# Altium PCB BTF16.PcbDoc (part 2 of 4) (continued)
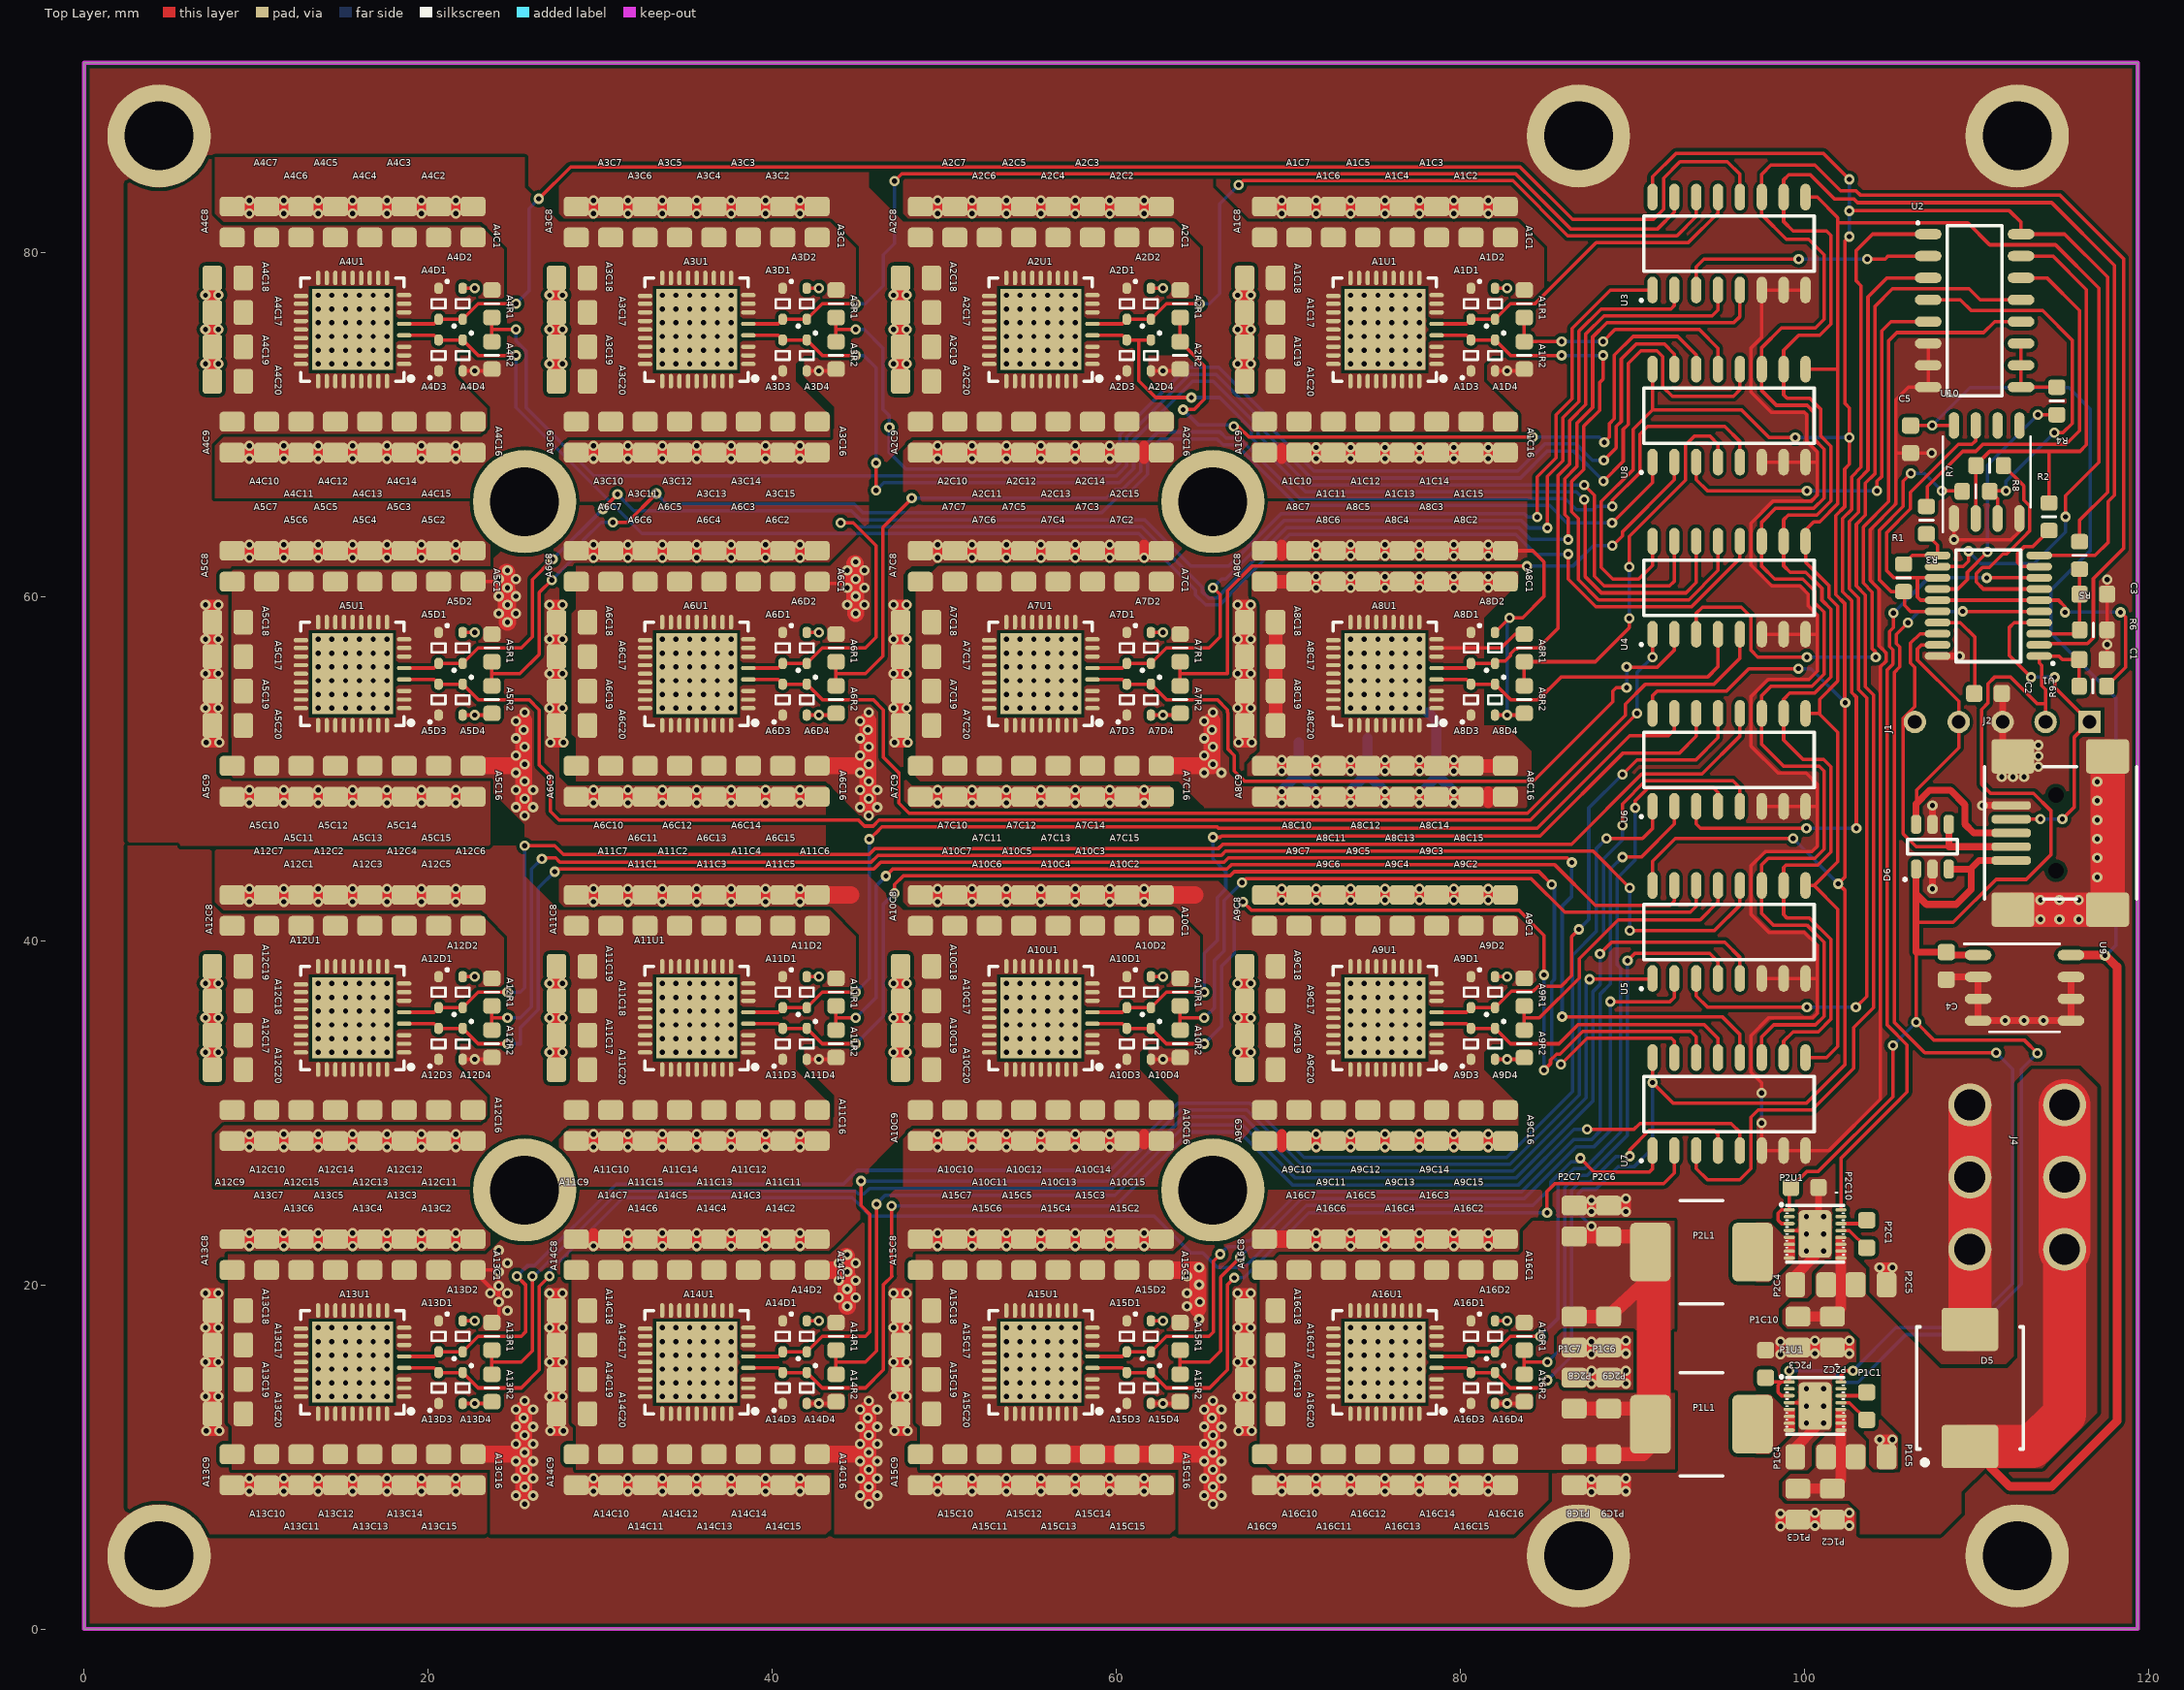
[diagram p0: Top Layer view]
## Nets (pads, with @x,y where several pads share a name; then routed paths per layer and width w, separated by ;. In a path a pad name is that pad's centre, name@x,y a point inside that pad or via, vN(x,y) a via of type N, cw(c..) or ccw(c..) an arc to the next point about the centre after c; other vN are vias at no path point) (continued)
  Top Layer w1: A5C16.1@22.6,50.15 v1@25.55,50.15 ; 24.25,60.6 24.6,60.25 v1(24.6,58.5) ; 24.55,59.2 v1@24.55,61.4 ; 25.55,47.95 v1@25.55,50.15 ; 25.55,52.775 v1@25.55,50.15
  other v1: 25.6,47.25 25.1,47.75 26.1,47.75 25.6,48.25 25.1,48.75 26.1,48.75 25.6,49.25 25.1,49.75 25.6,50.25 25.1,50.75 25.6,51.25 25.1,51.75 25.55,52.25 25.1,52.75 25.6,53.25 33.6,53.5 34.4,53.5 35.2,53.5 36,53.5 36.8,53.5 37.6,53.5 33.6,54.3 34.4,54.3 35.2,54.3 36,54.3 36.8,54.3 37.6,54.3 33.6,55.1 34.4,55.1 35.2,55.1 36,55.1 36.8,55.1 37.6,55.1 33.6,55.9 34.4,55.9 35.2,55.9 36,55.9 36.8,55.9 37.6,55.9 33.6,56.7 34.4,56.7 35.2,56.7 36,56.7 36.8,56.7 37.6,56.7 33.6,57.5 34.4,57.5 35.2,57.5 36,57.5 36.8,57.5 37.6,57.5 24.1,59 25.1,59 24.6,59.5 24.1,60 25.1,60 24.6,60.5 24.1,61 25.1,61 24.6,61.5
2.4V: A6C1.1 A6C2.1 A6C3.1 A6C4.1 A6C5.1 A6C6.1 A6C7.1 A6C8.1 A6C9.1 A6C10.1 A6C11.1 A6C12.1 A6C13.1 A6C14.1 A6C15.1 A6C16.1 A6C17.1 A6C18.1 A6C19.1 A6C20.1 A6D1.1 A6D3.1 A6R1.1 A6U1.1 A6U1.2 A6U1.3 A6U1.4 A6U1.5 A6U1.6 A6U1.7 A6U1.8 A6U1.9 A6U1.10 A6U1.11 A6U1.12 A6U1.13 A6U1.14 A6U1.15 A6U1.16 A6U1.17 A6U1.18 A6U1.19 A6U1.20 A6U1.21 A6U1.24 A6U1.25 A6U1.26 A6U1.27 A6U1.28 A6U1.29 A6U1.30 A6U1.31 A6U1.32 A6U1.33 A6U1.34 A6U1.35 A7C1.2 A7C2.2 A7C3.2 A7C4.2 A7C5.2 A7C6.2 A7C7.2 A7C8.2 A7C9.2 A7C10.2 A7C11.2 A7C12.2 A7C13.2 A7C14.2 A7C15.2 A7C16.2 A7C17.2 A7C18.2 A7C19.2 A7C20.2 A7D2.2 A7D4.2 A7R2.2 A7U1.36 | length 50.2
  Top Layer w0.2: A6C1.1@42.6,60.85 42.7,60.75 v1@44.85,60.75 ; A7D4.2@62,53.1 v1(62.7,53.1) 63.6,53.1 A7R2.2@63.7,53.2 ; A7D2.2@62,57.9 v1(62.7,57.9)
  Top Layer w0.6: v1(47.05,53.5) 47.45,53.5 ; v1(47.05,55.5) 47.45,55.5 ; v1(47.05,57.5) 47.45,57.5 ; v1(47.05,59.5) 47.45,59.5 ; v1(47.1,51.5) 47.45,51.5 ; A7C19.2@47.45,54.5 47.45,55.5 ; A7C17.2@47.45,56.5 47.45,57.5 ; A7C18.2@47.45,58.5 47.45,59.5 ; v1(47.8,53.5) 47.45,53.5 ; v1(47.8,55.5) 47.45,55.5 ; v1(47.8,57.5) 47.45,57.5 ; v1(47.8,59.5) 47.45,59.5 ; v1(47.85,51.5) 47.45,51.5 ; A7C9.2@48.6,48.35 49.6,48.35 ; v1(49.6,48) 49.6,48.35 ; v1(49.6,48.75) 49.6,48.35 ; v1(49.6,62.25) 49.6,62.65 ; v1(49.6,63) 49.6,62.65 ; A7C10.2@50.6,48.35 51.6,48.35 ; A7C7.2@50.6,62.65 49.6,62.65 ; v1(51.6,48) 51.6,48.35 ; v1(51.6,48.75) 51.6,48.35 ; v1(51.6,62.25) 51.6,62.65 ; v1(51.6,63) 51.6,62.65 ; A7C11.2@52.6,48.35 53.6,48.35 ; A7C6.2@52.6,62.65 51.6,62.65 ; v1(53.6,48) 53.6,48.35 ; v1(53.6,48.75) 53.6,48.35 ; v1(53.6,62.25) 53.6,62.65 ; v1(53.6,63) 53.6,62.65 ; A7C12.2@54.6,48.35 55.6,48.35 ; A7C5.2@54.6,62.65 53.6,62.65 ; v1(55.6,48) 55.6,48.35 ; v1(55.6,48.75) 55.6,48.35 ; v1(55.6,62.25) 55.6,62.65 ; v1(55.6,63) 55.6,62.65 ; A7C13.2@56.6,48.35 57.6,48.35 ; A7C4.2@56.6,62.65 55.6,62.65 ; v1(57.6,48) 57.6,48.35 ; v1(57.6,48.75) 57.6,48.35 ; v1(57.6,62.25) 57.6,62.65 ; v1(57.6,63) 57.6,62.65 ; A7C14.2@58.6,48.35 59.6,48.35 ; A7C3.2@58.6,62.65 57.6,62.65 ; v1(59.6,48) 59.6,48.35 ; v1(59.6,48.75) 59.6,48.35 ; v1(59.6,62.25) 59.6,62.65 ; v1(59.6,63) 59.6,62.65 ; A7C15.2@60.6,48.35 61.6,48.35 ; A7C2.2@60.6,62.65 59.6,62.65 ; v1(61.6,48) 61.6,48.35 ; v1(61.6,48.75) 61.6,48.35 ; v1(61.6,62.25) 61.6,62.65 ; 61.6,63 61.6,62.65 ; A7C1.2@62.6,62.65 61.6,62.65 ; 47.45,51.5 A7C20.2@47.45,52.5 47.45,53.5
  Top Layer w1: A6C16.1@42.6,50.15 v1@45.55,50.15 ; 44.5,61.1 44.85,60.75 v1(44.85,59) ; 44.8,59.7 v1@44.8,61.9 ; 45.55,47.95 v1@45.55,50.15 ; 45.55,52.775 v1@45.55,50.15
  other v1: 45.6,47.25 45.1,47.75 46.1,47.75 45.6,48.25 45.1,48.75 46.1,48.75 45.6,49.25 45.1,49.75 45.6,50.25 45.1,50.75 45.6,51.25 45.1,51.75 45.55,52.25 45.1,52.75 45.6,53.25 53.6,53.5 54.4,53.5 55.2,53.5 56,53.5 56.8,53.5 57.6,53.5 53.6,54.3 54.4,54.3 55.2,54.3 56,54.3 56.8,54.3 57.6,54.3 53.6,55.1 54.4,55.1 55.2,55.1 56,55.1 56.8,55.1 57.6,55.1 53.6,55.9 54.4,55.9 55.2,55.9 56,55.9 56.8,55.9 57.6,55.9 53.6,56.7 54.4,56.7 55.2,56.7 56,56.7 56.8,56.7 57.6,56.7 53.6,57.5 54.4,57.5 55.2,57.5 56,57.5 56.8,57.5 57.6,57.5 44.35,59.5 45.35,59.5 44.85,60 44.35,60.5 45.35,60.5 44.85,61 44.35,61.5 45.35,61.5 44.85,62
2.8V: A7C1.1 A7C2.1 A7C3.1 A7C4.1 A7C5.1 A7C6.1 A7C7.1 A7C8.1 A7C9.1 A7C10.1 A7C11.1 A7C12.1 A7C13.1 A7C14.1 A7C15.1 A7C16.1 A7C17.1 A7C18.1 A7C19.1 A7C20.1 A7D1.1 A7D3.1 A7R1.1 A7U1.1 A7U1.2 A7U1.3 A7U1.4 A7U1.5 A7U1.6 A7U1.7 A7U1.8 A7U1.9 A7U1.10 A7U1.11 A7U1.12 A7U1.13 A7U1.14 A7U1.15 A7U1.16 A7U1.17 A7U1.18 A7U1.19 A7U1.20 A7U1.21 A7U1.24 A7U1.25 A7U1.26 A7U1.27 A7U1.28 A7U1.29 A7U1.30 A7U1.31 A7U1.32 A7U1.33 A7U1.34 A7U1.35 A8C1.2 A8C2.2 A8C3.2 A8C4.2 A8C5.2 A8C6.2 A8C7.2 A8C8.2 A8C9.2 A8C10.2 A8C11.2 A8C12.2 A8C13.2 A8C14.2 A8C15.2 A8C16.2 A8C17.2 A8C18.2 A8C19.2 A8C20.2 A8D2.2 A8D4.2 A8R2.2 A8U1.36 | length 73.9
  Top Layer w0.2: A8D4.2@82,53.1 v1(82.7,53.1) 83.6,53.1 A8R2.2@83.7,53.2 ; A8D2.2@82,57.9 v1(82.85,58.75) 83.6,58.75 84.85,60 84.85,62 84.2,62.65 A8C1.2@82.6,62.65
  Top Layer w0.6: v1(67.05,53.5) 67.45,53.5 ; v1(67.05,55.5) 67.45,55.5 ; v1(67.05,57.5) 67.45,57.5 ; v1(67.05,59.5) 67.45,59.5 ; v1(67.1,51.5) 67.45,51.5 ; A8C19.2@67.45,54.5 67.45,55.5 ; A8C17.2@67.45,56.5 67.45,57.5 ; A8C18.2@67.45,58.5 67.45,59.5 ; v1(67.8,53.5) 67.45,53.5 ; v1(67.8,55.5) 67.45,55.5 ; v1(67.8,57.5) 67.45,57.5 ; v1(67.8,59.5) 67.45,59.5 ; v1(67.85,51.5) 67.45,51.5 ; A8C9.2@68.6,48.35 v1@69.6,48.35 ; v1(69.6,48) v1@69.6,48.35 ; v1(69.6,48.65) v1@69.6,48.35 ; 69.6,62.35 69.6,63 ; 69.6,62.65 A8C7.2@70.6,62.65 ; A8C10.2@70.6,48.35 v1@71.6,48.35 ; v1(71.6,48) v1@71.6,48.35 ; v1(71.6,48.65) v1@71.6,48.35 ; v1(71.6,62.35) v1(71.6,63) ; v1@71.6,62.65 A8C6.2@72.6,62.65 ; A8C11.2@72.6,48.35 v1@73.6,48.35 ; v1(73.6,48) v1@73.6,48.35 ; v1(73.6,48.65) v1@73.6,48.35 ; v1(73.6,62.35) v1(73.6,63) ; v1@73.6,62.65 A8C5.2@74.6,62.65 ; A8C12.2@74.6,48.35 v1@75.6,48.35 ; v1(75.6,48) v1@75.6,48.35 ; v1(75.6,48.65) v1@75.6,48.35 ; v1(75.6,62.35) v1(75.6,63) ; v1@75.6,62.65 A8C4.2@76.6,62.65 ; A8C13.2@76.6,48.35 v1@77.6,48.35 ; v1(77.6,48) v1@77.6,48.35 ; v1(77.6,48.65) v1@77.6,48.35 ; v1(77.6,62.35) v1(77.6,63) ; v1@77.6,62.65 A8C3.2@78.6,62.65 ; A8C14.2@78.6,48.35 v1@79.6,48.35 ; v1(79.6,48) v1@79.6,48.35 ; v1(79.6,48.65) v1@79.6,48.35 ; v1(79.6,62.35) v1(79.6,63) ; v1@79.6,62.65 A8C2.2@80.6,62.65 ; A8C15.2@80.6,48.35 81.6,48.35 ; 81.6,48 81.6,48.35 ; 81.6,48.65 81.6,48.35 ; v1(81.6,62.35) v1(81.6,63) ; v1@81.6,62.65 A8C1.2@82.6,62.65 ; 67.45,51.5 A8C20.2@67.45,52.5 67.45,53.5
  Top Layer w1: A7C16.1@62.6,50.15 65.55,50.15 65.55,52.775
  Bottom Layer w0.2: v1(82.7,53.1) 82.7,58.6 v1(82.85,58.75)
  Bottom Layer w0.6: v1(69.6,48) v1(69.6,48.65) 69.6,48.719 70.4,49.519 70.4,49.55 70.6,49.75 70.6,50.25 ; 70.6,51.5 70.6,50.25 ; v1(71.6,48) v1(71.6,48.65) 71.6,48.719 70.8,49.519 70.8,50.05 70.6,50.25 ; v1(73.6,48) v1(73.6,48.65) 73.6,48.719 74.4,49.519 74.4,49.55 74.6,49.75 ; 74.6,51.75 74.6,49.75 ; v1(75.6,48) v1(75.6,48.65) 74.6,49.65 74.6,49.75 ; v1(77.6,48) 77.6,48.5 78.6,49.5 ; 78.1,53.25 78.6,52.75 78.6,49.5 ; v1(79.6,48) v1(79.6,48.65) 78.75,49.5 78.6,49.5
  other v1: 65.1,49.75 66.1,49.75 65.6,50.25 65.1,50.75 65.6,51.25 65.1,51.75 65.55,52.25 65.1,52.75 65.6,53.25 73.6,53.5 74.4,53.5 75.2,53.5 76,53.5 76.8,53.5 77.6,53.5 73.6,54.3 74.4,54.3 75.2,54.3 76,54.3 76.8,54.3 77.6,54.3 73.6,55.1 74.4,55.1 75.2,55.1 76,55.1 76.8,55.1 77.6,55.1 73.6,55.9 74.4,55.9 75.2,55.9 76,55.9 76.8,55.9 77.6,55.9 73.6,56.7 74.4,56.7 75.2,56.7 76,56.7 76.8,56.7 77.6,56.7 73.6,57.5 74.4,57.5 75.2,57.5 76,57.5 76.8,57.5 77.6,57.5
3.2V: A8C1.1 A8C2.1 A8C3.1 A8C4.1 A8C5.1 A8C6.1 A8C7.1 A8C8.1 A8C9.1 A8C10.1 A8C11.1 A8C12.1 A8C13.1 A8C14.1 A8C15.1 A8C16.1 A8C17.1 A8C18.1 A8C19.1 A8C20.1 A8D1.1 A8D3.1 A8R1.1 A8U1.1 A8U1.2 A8U1.3 A8U1.4 A8U1.5 A8U1.6 A8U1.7 A8U1.8 A8U1.9 A8U1.10 A8U1.11 A8U1.12 A8U1.13 A8U1.14 A8U1.15 A8U1.16 A8U1.17 A8U1.18 A8U1.19 A8U1.20 A8U1.21 A8U1.24 A8U1.25 A8U1.26 A8U1.27 A8U1.28 A8U1.29 A8U1.30 A8U1.31 A8U1.32 A8U1.33 A8U1.34 A8U1.35 A9C1.2 A9C2.2 A9C3.2 A9C4.2 A9C5.2 A9C6.2 A9C7.2 A9C8.2 A9C9.2 A9C10.2 A9C11.2 A9C12.2 A9C13.2 A9C14.2 A9C15.2 A9C16.2 A9C17.2 A9C18.2 A9C19.2 A9C20.2 A9D2.2 A9D4.2 A9R2.2 A9U1.36 | length 71
  Top Layer w0.2: A8U1.25@78.6,57 82.35,57 83.15,57.8 A8R1.1@83.7,57.8 ; A9D4.2@82,33.1 v1(82.7,33.1) 83.6,33.1 A9R2.2@83.7,33.2 ; A9D2.2@82,37.9 v1(82.7,37.9)
  Top Layer w0.6: v1(67.05,33.5) 67.45,33.5 ; v1(67.05,35.5) 67.45,35.5 ; v1(67.05,37.5) 67.45,37.5 ; A9C20.2@67.45,32.5 67.45,33.5 ; A9C19.2@67.45,34.5 67.45,35.5 ; A9C17.2@67.45,36.5 67.45,37.5 ; v1(67.8,33.5) 67.45,33.5 ; v1(67.8,35.5) 67.45,35.5 ; v1(67.8,37.5) 67.45,37.5 ; A9C9.2@68.511,28.35 A9C9.2@68.6,28.35 69.6,28.35 ; 69.6,28 69.6,28.35 ; 69.6,28.75 69.6,28.35 ; v1(69.6,42.35) v1@69.6,42.65 ; v1(69.6,43) v1@69.6,42.65 ; A9C10.2@70.6,28.35 71.6,28.35 ; A9C7.2@70.6,42.65 v1@69.6,42.65 ; v1(71.6,28) 71.6,28.35 ; v1(71.6,28.75) 71.6,28.35 ; v1(71.6,42.35) v1@71.6,42.65 ; v1(71.6,43) v1@71.6,42.65 ; A9C11.2@72.6,28.35 73.6,28.35 ; A9C6.2@72.6,42.65 v1@71.6,42.65 ; v1(73.6,28) 73.6,28.35 ; v1(73.6,28.75) 73.6,28.35 ; v1(73.6,42.35) v1@73.6,42.65 ; v1(73.6,43) v1@73.6,42.65 ; A9C12.2@74.6,28.35 75.6,28.35 ; A9C5.2@74.6,42.65 v1@73.6,42.65 ; v1(75.6,28) 75.6,28.35 ; v1(75.6,28.75) 75.6,28.35 ; v1(75.6,42.35) v1@75.6,42.65 ; v1(75.6,43) v1@75.6,42.65 ; A9C13.2@76.6,28.35 77.6,28.35 ; A9C4.2@76.6,42.65 v1@75.6,42.65 ; v1(77.6,28) 77.6,28.35 ; v1(77.6,28.75) 77.6,28.35 ; v1(77.6,42.35) v1@77.6,42.65 ; v1(77.6,43) v1@77.6,42.65 ; A9C14.2@78.6,28.35 79.6,28.35 ; A9C3.2@78.6,42.65 v1@77.6,42.65 ; v1(79.6,28) 79.6,28.35 ; v1(79.6,28.75) 79.6,28.35 ; v1(79.6,42.35) v1@79.6,42.65 ; v1(79.6,43) v1@79.6,42.65 ; A9C15.2@80.6,28.35 81.6,28.35 ; A9C2.2@80.6,42.65 v1@79.6,42.65 ; v1(81.6,28) 81.6,28.35 ; v1(81.6,28.75) 81.6,28.35 ; v1(81.6,42.35) v1@81.6,42.65 ; v1(81.6,43) v1@81.6,42.65 ; A9C1.2@82.6,42.65 v1@81.6,42.65
  Top Layer w0.8: A8C9.1@68.6,50.15 A8C10.1@70.6,50.15 A8C11.1@72.6,50.15 A8C12.1@74.6,50.15 A8C13.1@76.6,50.15 A8C14.1@78.6,50.15 A8C15.1@80.6,50.15 A8C16.1@82.6,50.15 ; A8C8.1@68.6,60.85 A8C7.1@70.6,60.85 A8C6.1@72.6,60.85 A8C5.1@74.6,60.85 A8C4.1@76.6,60.85 A8C3.1@78.6,60.85 A8C2.1@80.6,60.85 A8C1.1@82.6,60.85 ; A8C20.1@69.25,52.5 A8C19.1@69.25,54.5 A8C17.1@69.25,56.5 A8C18.1@69.25,58.5
  other v1: 73.6,33.5 74.4,33.5 75.2,33.5 76,33.5 76.8,33.5 77.6,33.5 73.6,34.3 74.4,34.3 75.2,34.3 76,34.3 76.8,34.3 77.6,34.3 73.6,35.1 74.4,35.1 75.2,35.1 76,35.1 76.8,35.1 77.6,35.1 73.6,35.9 74.4,35.9 75.2,35.9 76,35.9 76.8,35.9 77.6,35.9 73.6,36.7 74.4,36.7 75.2,36.7 76,36.7 76.8,36.7 77.6,36.7 73.6,37.5 74.4,37.5 75.2,37.5 76,37.5 76.8,37.5 77.6,37.5 69.6,49.85 71.6,49.85 73.6,49.85 75.6,49.85 77.6,49.85 79.6,49.85 69.6,50.5 71.6,50.5 73.6,50.5 75.6,50.5 77.6,50.5 79.6,50.5 71.6,60.5 73.6,60.5 75.6,60.5 77.6,60.5 79.6,60.5 81.6,60.5 71.6,61.15 73.6,61.15 75.6,61.15 77.6,61.15 79.6,61.15 81.6,61.15
3.6V: A9C1.1 A9C2.1 A9C3.1 A9C4.1 A9C5.1 A9C6.1 A9C7.1 A9C8.1 A9C9.1 A9C10.1 A9C11.1 A9C12.1 A9C13.1 A9C14.1 A9C15.1 A9C16.1 A9C17.1 A9C18.1 A9C19.1 A9C20.1 A9D1.1 A9D3.1 A9R1.1 A9U1.1 A9U1.2 A9U1.3 A9U1.4 A9U1.5 A9U1.6 A9U1.7 A9U1.8 A9U1.9 A9U1.10 A9U1.11 A9U1.12 A9U1.13 A9U1.14 A9U1.15 A9U1.16 A9U1.17 A9U1.18 A9U1.19 A9U1.20 A9U1.21 A9U1.24 A9U1.25 A9U1.26 A9U1.27 A9U1.28 A9U1.29 A9U1.30 A9U1.31 A9U1.32 A9U1.33 A9U1.34 A9U1.35 A10C1.2 A10C2.2 A10C3.2 A10C4.2 A10C5.2 A10C6.2 A10C7.2 A10C8.2 A10C9.2 A10C10.2 A10C11.2 A10C12.2 A10C13.2 A10C14.2 A10C15.2 A10C16.2 A10C17.2 A10C18.2 A10C19.2 A10C20.2 A10D2.2 A10D4.2 A10R2.2 A10U1.36 | length 35
  Top Layer w0.2: A10D4.2@62,33.1 v1(62.7,33.1) 63.6,33.1 A10R2.2@63.7,33.2 ; A10D2.2@62,37.9 v1(62.7,37.9)
  Top Layer w0.6: v1(47.05,33.5) 47.45,33.5 ; v1(47.05,35.5) 47.45,35.5 ; v1(47.05,37.5) 47.45,37.5 ; A10C20.2@47.45,32.5 47.45,33.5 ; A10C19.2@47.45,34.5 47.45,35.5 ; A10C17.2@47.45,36.5 47.45,37.5 ; v1(47.8,33.5) 47.45,33.5 ; v1(47.8,35.5) 47.45,35.5 ; v1(47.8,37.5) 47.45,37.5 ; A10C9.2@48.6,28.35 49.6,28.35 ; v1(49.6,28) 49.6,28.35 ; v1(49.6,28.75) 49.6,28.35 ; v1(49.6,42.25) 49.6,42.65 ; v1(49.6,43) 49.6,42.65 ; A10C10.2@50.6,28.35 51.6,28.35 ; A10C7.2@50.6,42.65 49.6,42.65 ; v1(51.6,28) 51.6,28.35 ; v1(51.6,28.75) 51.6,28.35 ; v1(51.6,42.25) 51.6,42.65 ; v1(51.6,43) 51.6,42.65 ; A10C11.2@52.6,28.35 53.6,28.35 ; A10C6.2@52.6,42.65 51.6,42.65 ; v1(53.6,28) 53.6,28.35 ; v1(53.6,28.75) 53.6,28.35 ; v1(53.6,42.25) 53.6,42.65 ; v1(53.6,43) 53.6,42.65 ; A10C12.2@54.6,28.35 55.6,28.35 ; A10C5.2@54.6,42.65 53.6,42.65 ; v1(55.6,28) 55.6,28.35 ; v1(55.6,28.75) 55.6,28.35 ; v1(55.6,42.25) 55.6,42.65 ; v1(55.6,43) 55.6,42.65 ; A10C13.2@56.6,28.35 57.6,28.35 ; A10C4.2@56.6,42.65 55.6,42.65 ; v1(57.6,28) 57.6,28.35 ; v1(57.6,28.75) 57.6,28.35 ; v1(57.6,42.25) 57.6,42.65 ; v1(57.6,43) 57.6,42.65 ; A10C14.2@58.6,28.35 59.6,28.35 ; A10C3.2@58.6,42.65 57.6,42.65 ; v1(59.6,28) 59.6,28.35 ; v1(59.6,28.75) 59.6,28.35 ; v1(59.6,42.25) 59.6,42.65 ; v1(59.6,43) 59.6,42.65 ; A10C15.2@60.6,28.35 61.6,28.35 ; A10C2.2@60.6,42.65 59.6,42.65 ; 61.6,28.15 61.6,28.35 ; 61.6,28.75 61.6,28.35 ; v1(61.6,42.25) 61.6,42.65 ; v1(61.6,43) 61.6,42.65 ; A10C1.2@62.6,42.65 61.6,42.65
  Top Layer w1: 61.6,42.65 64.55,42.65
  other v1: 53.6,33.5 54.4,33.5 55.2,33.5 56,33.5 56.8,33.5 57.6,33.5 53.6,34.3 54.4,34.3 55.2,34.3 56,34.3 56.8,34.3 57.6,34.3 53.6,35.1 54.4,35.1 55.2,35.1 56,35.1 56.8,35.1 57.6,35.1 53.6,35.9 54.4,35.9 55.2,35.9 56,35.9 56.8,35.9 57.6,35.9 53.6,36.7 54.4,36.7 55.2,36.7 56,36.7 56.8,36.7 57.6,36.7 53.6,37.5 54.4,37.5 55.2,37.5 56,37.5 56.8,37.5 57.6,37.5
4.0V: A10C1.1 A10C2.1 A10C3.1 A10C4.1 A10C5.1 A10C6.1 A10C7.1 A10C8.1 A10C9.1 A10C10.1 A10C11.1 A10C12.1 A10C13.1 A10C14.1 A10C15.1 A10C16.1 A10C17.1 A10C18.1 A10C19.1 A10C20.1 A10D1.1 A10D3.1 A10R1.1 A10U1.1 A10U1.2 A10U1.3 A10U1.4 A10U1.5 A10U1.6 A10U1.7 A10U1.8 A10U1.9 A10U1.10 A10U1.11 A10U1.12 A10U1.13 A10U1.14 A10U1.15 A10U1.16 A10U1.17 A10U1.18 A10U1.19 A10U1.20 A10U1.21 A10U1.24 A10U1.25 A10U1.26 A10U1.27 A10U1.28 A10U1.29 A10U1.30 A10U1.31 A10U1.32 A10U1.33 A10U1.34 A10U1.35 A11C1.2 A11C2.2 A11C3.2 A11C4.2 A11C5.2 A11C6.2 A11C7.2 A11C8.2 A11C9.2 A11C10.2 A11C11.2 A11C12.2 A11C13.2 A11C14.2 A11C15.2 A11C16.2 A11C17.2 A11C18.2 A11C19.2 A11C20.2 A11D2.2 A11D4.2 A11R2.2 A11U1.36 | length 35.1
  Top Layer w0.2: A11D4.2@42,33.1 v1(42.7,33.1) 43.6,33.1 A11R2.2@43.7,33.2 ; A11D2.2@42,37.9 v1(42.7,37.9)
  Top Layer w0.6: v1(27.05,33.5) 27.45,33.5 ; v1(27.05,35.5) 27.45,35.5 ; v1(27.05,37.5) 27.45,37.5 ; A11C20.2@27.45,32.5 27.45,33.5 ; A11C17.2@27.45,34.5 27.45,35.5 ; A11C18.2@27.45,36.5 27.45,37.5 ; v1(27.8,33.5) 27.45,33.5 ; v1(27.8,35.5) 27.45,35.5 ; v1(27.8,37.5) 27.45,37.5 ; A11C9.2@28.6,28.35 29.6,28.35 ; v1(29.6,28) 29.6,28.35 ; v1(29.6,28.75) 29.6,28.35 ; v1(29.6,42.25) 29.6,42.65 ; v1(29.6,43) 29.6,42.65 ; A11C10.2@30.6,28.35 31.6,28.35 ; A11C7.2@30.6,42.65 29.6,42.65 ; v1(31.6,28) 31.6,28.35 ; v1(31.6,28.75) 31.6,28.35 ; v1(31.6,42.25) 31.6,42.65 ; v1(31.6,43) 31.6,42.65 ; A11C15.2@32.6,28.35 33.6,28.35 ; A11C1.2@32.6,42.65 31.6,42.65 ; v1(33.6,28) 33.6,28.35 ; v1(33.6,28.75) 33.6,28.35 ; v1(33.6,42.25) 33.6,42.65 ; v1(33.6,43) 33.6,42.65 ; A11C14.2@34.6,28.35 35.6,28.35 ; A11C2.2@34.6,42.65 33.6,42.65 ; v1(35.6,28) 35.6,28.35 ; v1(35.6,28.75) 35.6,28.35 ; v1(35.6,42.25) 35.6,42.65 ; v1(35.6,43) 35.6,42.65 ; A11C13.2@36.6,28.35 37.6,28.35 ; A11C3.2@36.6,42.65 35.6,42.65 ; v1(37.6,28) 37.6,28.35 ; v1(37.6,28.75) 37.6,28.35 ; v1(37.6,42.25) 37.6,42.65 ; v1(37.6,43) 37.6,42.65 ; A11C12.2@38.6,28.35 39.6,28.35 ; A11C4.2@38.6,42.65 37.6,42.65 ; v1(39.6,28) 39.6,28.35 ; v1(39.6,28.75) 39.6,28.35 ; v1(39.6,42.25) 39.6,42.65 ; v1(39.6,43) 39.6,42.65 ; A11C11.2@40.6,28.35 41.6,28.35 ; A11C5.2@40.6,42.65 39.6,42.65 ; v1(41.6,28) 41.6,28.35 ; v1(41.6,28.75) 41.6,28.35 ; v1(41.6,42.25) 41.6,42.65 ; v1(41.6,43) 41.6,42.65 ; A11C6.2@42.6,42.65 41.6,42.65
  Top Layer w1: 41.6,42.65 44.55,42.65
  other v1: 33.6,33.5 34.4,33.5 35.2,33.5 36,33.5 36.8,33.5 37.6,33.5 33.6,34.3 34.4,34.3 35.2,34.3 36,34.3 36.8,34.3 37.6,34.3 33.6,35.1 34.4,35.1 35.2,35.1 36,35.1 36.8,35.1 37.6,35.1 33.6,35.9 34.4,35.9 35.2,35.9 36,35.9 36.8,35.9 37.6,35.9 33.6,36.7 34.4,36.7 35.2,36.7 36,36.7 36.8,36.7 37.6,36.7 33.6,37.5 34.4,37.5 35.2,37.5 36,37.5 36.8,37.5 37.6,37.5
4.4V: A11C1.1 A11C2.1 A11C3.1 A11C4.1 A11C5.1 A11C6.1 A11C7.1 A11C8.1 A11C9.1 A11C10.1 A11C11.1 A11C12.1 A11C13.1 A11C14.1 A11C15.1 A11C16.1 A11C17.1 A11C18.1 A11C19.1 A11C20.1 A11D1.1 A11D3.1 A11R1.1 A11U1.1 A11U1.2 A11U1.3 A11U1.4 A11U1.5 A11U1.6 A11U1.7 A11U1.8 A11U1.9 A11U1.10 A11U1.11 A11U1.12 A11U1.13 A11U1.14 A11U1.15 A11U1.16 A11U1.17 A11U1.18 A11U1.19 A11U1.20 A11U1.21 A11U1.24 A11U1.25 A11U1.26 A11U1.27 A11U1.28 A11U1.29 A11U1.30 A11U1.31 A11U1.32 A11U1.33 A11U1.34 A11U1.35 A12C1.2 A12C2.2 A12C3.2 A12C4.2 A12C5.2 A12C6.2 A12C7.2 A12C8.2 A12C9.2 A12C10.2 A12C11.2 A12C12.2 A12C13.2 A12C14.2 A12C15.2 A12C16.2 A12C17.2 A12C18.2 A12C19.2 A12C20.2 A12D2.2 A12D4.2 A12R2.2 A12U1.36 | length 32.2
  Top Layer w0.2: A12D4.2@22,33.1 v1(22.7,33.1) 23.6,33.1 A12R2.2@23.7,33.2 ; A12D2.2@22,37.9 v1(22.7,37.9)
  Top Layer w0.6: v1(7.05,33.5) 7.45,33.5 ; v1(7.05,35.5) 7.45,35.5 ; v1(7.05,37.5) 7.45,37.5 ; A12C20.2@7.45,32.5 7.45,33.5 ; A12C17.2@7.45,34.5 7.45,35.5 ; A12C18.2@7.45,36.5 7.45,37.5 ; v1(7.8,33.5) 7.45,33.5 ; v1(7.8,35.5) 7.45,35.5 ; v1(7.8,37.5) 7.45,37.5 ; A12C9.2@8.6,28.35 9.6,28.35 ; v1(9.6,28) 9.6,28.35 ; v1(9.6,28.75) 9.6,28.35 ; v1(9.6,42.25) 9.6,42.65 ; v1(9.6,43) 9.6,42.65 ; A12C10.2@10.6,28.35 11.6,28.35 ; A12C7.2@10.6,42.65 9.6,42.65 ; v1(11.6,28) 11.6,28.35 ; v1(11.6,28.75) 11.6,28.35 ; v1(11.6,42.25) 11.6,42.65 ; v1(11.6,43) 11.6,42.65 ; A12C15.2@12.6,28.35 13.6,28.35 ; A12C1.2@12.6,42.65 11.6,42.65 ; v1(13.6,28) 13.6,28.35 ; v1(13.6,28.75) 13.6,28.35 ; v1(13.6,42.25) 13.6,42.65 ; v1(13.6,43) 13.6,42.65 ; A12C14.2@14.6,28.35 15.6,28.35 ; A12C2.2@14.6,42.65 13.6,42.65 ; v1(15.6,28) 15.6,28.35 ; v1(15.6,28.75) 15.6,28.35 ; v1(15.6,42.25) 15.6,42.65 ; v1(15.6,43) 15.6,42.65 ; A12C13.2@16.6,28.35 17.6,28.35 ; A12C3.2@16.6,42.65 15.6,42.65 ; v1(17.6,28) 17.6,28.35 ; v1(17.6,28.75) 17.6,28.35 ; v1(17.6,42.25) 17.6,42.65 ; v1(17.6,43) 17.6,42.65 ; A12C12.2@18.6,28.35 19.6,28.35 ; A12C4.2@18.6,42.65 17.6,42.65 ; v1(19.6,28) 19.6,28.35 ; v1(19.6,28.75) 19.6,28.35 ; v1(19.6,42.25) 19.6,42.65 ; v1(19.6,43) 19.6,42.65 ; A12C11.2@20.6,28.35 21.6,28.35 ; A12C5.2@20.6,42.65 19.6,42.65 ; v1(21.6,28) 21.6,28.35 ; v1(21.6,28.75) 21.6,28.35 ; v1(21.6,42.25) 21.6,42.65 ; v1(21.6,43) 21.6,42.65 ; A12C6.2@22.6,42.65 21.6,42.65
  other v1: 13.6,33.5 14.4,33.5 15.2,33.5 16,33.5 16.8,33.5 17.6,33.5 13.6,34.3 14.4,34.3 15.2,34.3 16,34.3 16.8,34.3 17.6,34.3 13.6,35.1 14.4,35.1 15.2,35.1 16,35.1 16.8,35.1 17.6,35.1 13.6,35.9 14.4,35.9 15.2,35.9 16,35.9 16.8,35.9 17.6,35.9 13.6,36.7 14.4,36.7 15.2,36.7 16,36.7 16.8,36.7 17.6,36.7 13.6,37.5 14.4,37.5 15.2,37.5 16,37.5 16.8,37.5 17.6,37.5
4.8V: A12C1.1 A12C2.1 A12C3.1 A12C4.1 A12C5.1 A12C6.1 A12C7.1 A12C8.1 A12C9.1 A12C10.1 A12C11.1 A12C12.1 A12C13.1 A12C14.1 A12C15.1 A12C16.1 A12C17.1 A12C18.1 A12C19.1 A12C20.1 A12D1.1 A12D3.1 A12R1.1 A12U1.1 A12U1.2 A12U1.3 A12U1.4 A12U1.5 A12U1.6 A12U1.7 A12U1.8 A12U1.9 A12U1.10 A12U1.11 A12U1.12 A12U1.13 A12U1.14 A12U1.15 A12U1.16 A12U1.17 A12U1.18 A12U1.19 A12U1.20 A12U1.21 A12U1.24 A12U1.25 A12U1.26 A12U1.27 A12U1.28 A12U1.29 A12U1.30 A12U1.31 A12U1.32 A12U1.33 A12U1.34 A12U1.35 A13C1.2 A13C2.2 A13C3.2 A13C4.2 A13C5.2 A13C6.2 A13C7.2 A13C8.2 A13C9.2 A13C10.2 A13C11.2 A13C12.2 A13C13.2 A13C14.2 A13C15.2 A13C16.2 A13C17.2 A13C18.2 A13C19.2 A13C20.2 A13D2.2 A13D4.2 A13R2.2 A13U1.36 | length 35.7
  Top Layer w0.2: A13D4.2@22,13.1 v1(22.7,13.1) 23.6,13.1 A13R2.2@23.7,13.2 ; A13D2.2@22,17.9 v1(22.7,17.9)
  Top Layer w0.6: v1(7.05,13.5) 7.45,13.5 ; v1(7.05,15.5) 7.45,15.5 ; v1(7.05,17.5) 7.45,17.5 ; v1(7.05,19.5) 7.45,19.5 ; v1(7.1,11.5) 7.45,11.5 ; A13C19.2@7.45,14.5 7.45,15.5 ; A13C17.2@7.45,16.5 7.45,17.5 ; A13C18.2@7.45,18.5 7.45,19.5 ; v1(7.8,13.5) 7.45,13.5 ; v1(7.8,15.5) 7.45,15.5 ; v1(7.8,17.5) 7.45,17.5 ; v1(7.8,19.5) 7.45,19.5 ; v1(7.85,11.5) 7.45,11.5 ; A13C9.2@8.6,8.35 9.6,8.35 ; v1(9.6,8) 9.6,8.35 ; v1(9.6,8.75) 9.6,8.35 ; v1(9.6,22.25) 9.6,22.65 ; v1(9.6,23) 9.6,22.65 ; A13C10.2@10.6,8.35 11.6,8.35 ; A13C7.2@10.6,22.65 9.6,22.65 ; v1(11.6,8) 11.6,8.35 ; v1(11.6,8.75) 11.6,8.35 ; v1(11.6,22.25) 11.6,22.65 ; v1(11.6,23) 11.6,22.65 ; A13C11.2@12.6,8.35 13.6,8.35 ; A13C6.2@12.6,22.65 11.6,22.65 ; v1(13.6,8) 13.6,8.35 ; v1(13.6,8.75) 13.6,8.35 ; v1(13.6,22.25) 13.6,22.65 ; v1(13.6,23) 13.6,22.65 ; A13C12.2@14.6,8.35 15.6,8.35 ; A13C5.2@14.6,22.65 13.6,22.65 ; v1(15.6,8) 15.6,8.35 ; v1(15.6,8.75) 15.6,8.35 ; v1(15.6,22.25) 15.6,22.65 ; v1(15.6,23) 15.6,22.65 ; A13C13.2@16.6,8.35 17.6,8.35 ; A13C4.2@16.6,22.65 15.6,22.65 ; v1(17.6,8) 17.6,8.35 ; v1(17.6,8.75) 17.6,8.35 ; v1(17.6,22.25) 17.6,22.65 ; v1(17.6,23) 17.6,22.65 ; A13C14.2@18.6,8.35 19.6,8.35 ; A13C3.2@18.6,22.65 17.6,22.65 ; v1(19.6,8) 19.6,8.35 ; v1(19.6,8.75) 19.6,8.35 ; v1(19.6,22.25) 19.6,22.65 ; v1(19.6,23) 19.6,22.65 ; A13C15.2@20.6,8.35 21.6,8.35 ; A13C2.2@20.6,22.65 19.6,22.65 ; v1(21.6,8) 21.6,8.35 ; v1(21.6,8.75) 21.6,8.35 ; v1(21.6,22.25) 21.6,22.65 ; v1(21.6,23) 21.6,22.65 ; A13C1.2@22.6,22.65 21.6,22.65 ; 7.45,11.5 A13C20.2@7.45,12.5 7.45,13.5
  other v1: 13.6,13.5 14.4,13.5 15.2,13.5 16,13.5 16.8,13.5 17.6,13.5 13.6,14.3 14.4,14.3 15.2,14.3 16,14.3 16.8,14.3 17.6,14.3 13.6,15.1 14.4,15.1 15.2,15.1 16,15.1 16.8,15.1 17.6,15.1 13.6,15.9 14.4,15.9 15.2,15.9 16,15.9 16.8,15.9 17.6,15.9 13.6,16.7 14.4,16.7 15.2,16.7 16,16.7 16.8,16.7 17.6,16.7 13.6,17.5 14.4,17.5 15.2,17.5 16,17.5 16.8,17.5 17.6,17.5